# Altium PCB Digitalizador_RPi.PcbDoc (part 1 of 3) (continued)
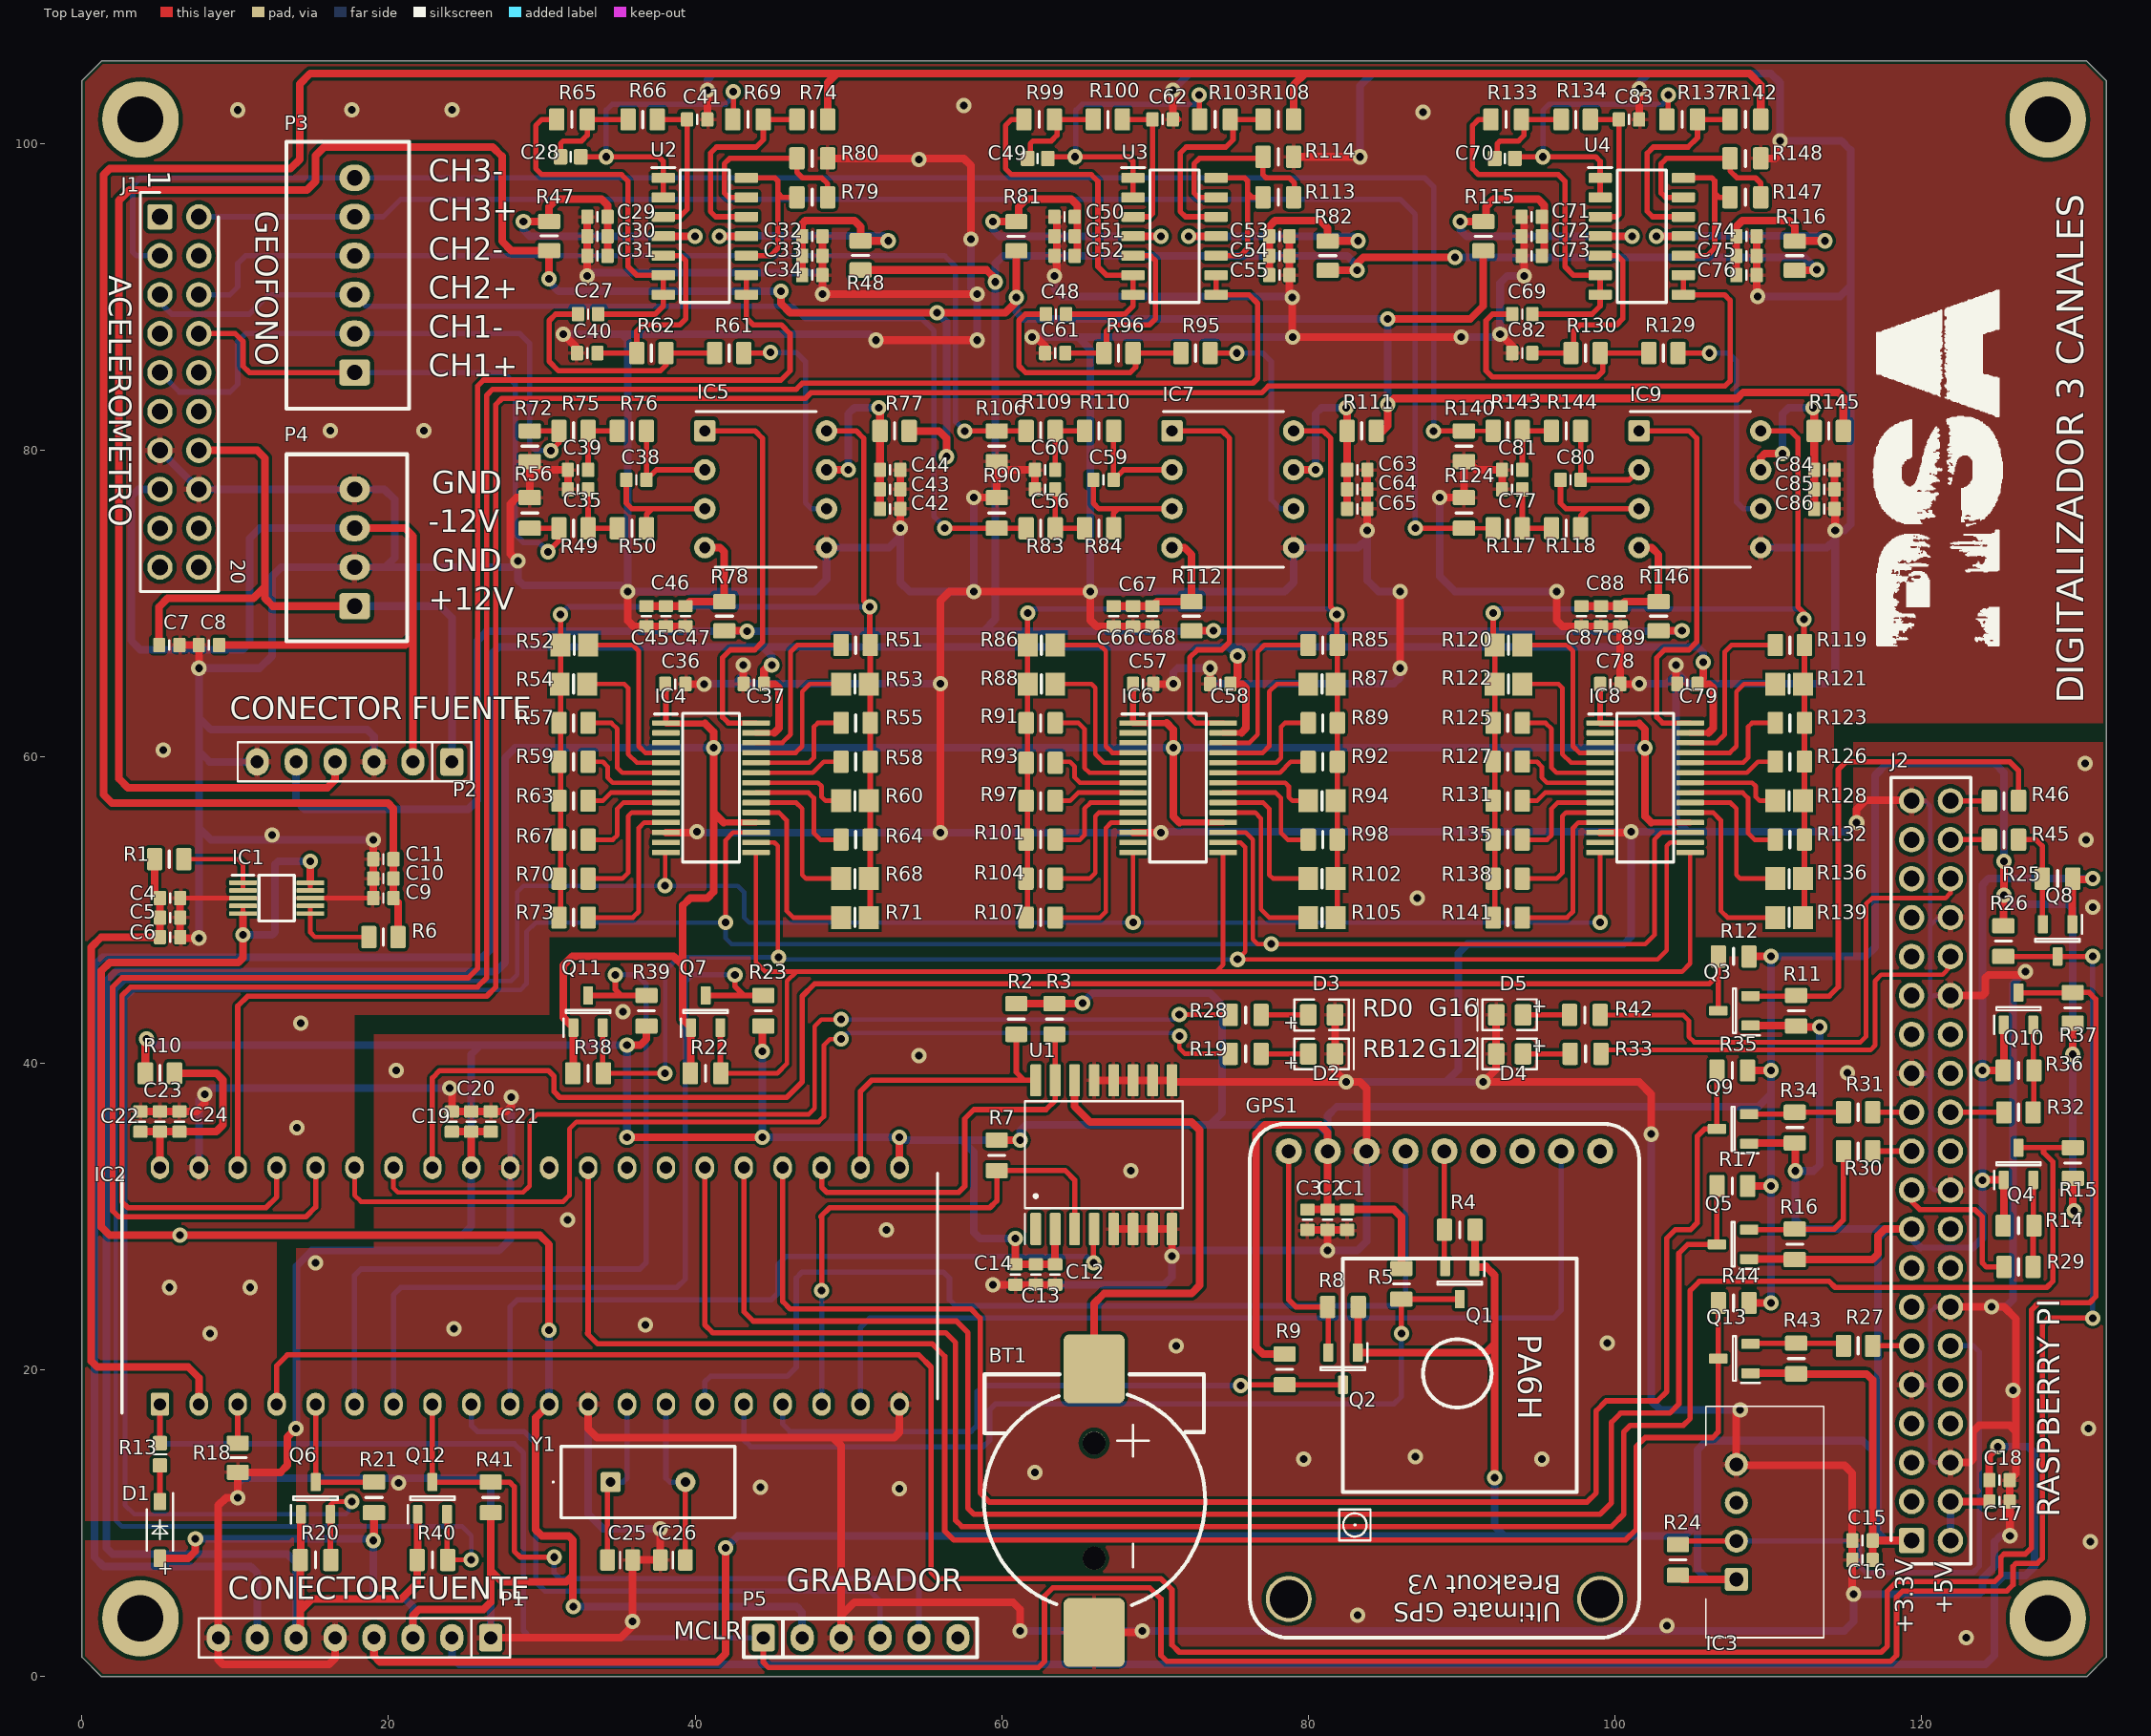
[diagram p0: Top Layer view]
## Design rules (kind name [scope] priority, off if disabled: settings) (continued)
SilkToSolderMaskClearance [IsPad] p1: minsilkscreentomaskgap=0.1 clearancetoexposedcopper=TRUE
SolderMaskExpansion SolderMaskExpansion_NPTH [IsPad And (HoleDiameter > 0) And (PadIsPlated = 'False')] p1: expansion=0.127
SolderMaskExpansion [All] p2: expansion=0.05
UnRoutedNet [All] p1: checkbadconnections=TRUE
Width Width_SILK [OnLayer('Top Overlay') Or OnLayer('Bottom Overlay')] p1: maxlimit=2.54 minlimit=0.15 preferedwidth=0.254
Width Width_POWER [All] p2: maxlimit=2.54 minlimit=0.2 preferedwidth=0.35 minimp=50.000000 maximp=50.000000 favimp=50.000000
Width [All] p3: maxlimit=2.54 minlimit=0.125 preferedwidth=0.25 minimp=50.000000 maximp=50.000000 favimp=50.000000
21 further rules are at their usual default settings.

## Classes and differential pairs
polygon class GENERAL_GROUND: PLANO_ANAL_BOTTOM PLANO_ANAL_TOP PLANO_DIGI_TOP

## Components (designator, comment, footprint, x,y, rotation, side; value= is the part's Value field where it differs from the comment)
BT1 "CR1220-2ZX" CR12202ZX 66.04,20.09 r270 top
C1 "CL10A105KB8NNNC" CAPC1608X90N#1 82.55,29.82 r270 top value=1uF
C2 "CC0603KRX7R9BB104" CAPC1608X90N#1 81.28,29.82 r270 top value=100nF
C3 "0603B103K500NT" CAPC1608X90N#1 79.96,29.82 r270 top value=10nF
C4 "CL10A105KB8NNNC" CAPC1608X90N#1 5.74,50.8 r0 top value=1uF
C5 "CC0603KRX7R9BB104" CAPC1608X90N#1 5.74,49.53 r0 top value=100nF
C6 "0603B103K500NT" CAPC1608X90N#1 5.74,48.26 r0 top value=10nF
C7 "CC0603KRX7R9BB104" CAPC1608X90N#1 5.69,67.31 r0 top value=100nF
C8 "CC0603KRX7R9BB104" CAPC1608X90N#1 8.28,67.31 r180 top value=100nF
C9 "CL10A105KB8NNNC" CAPC1608X90N#1 19.66,50.8 r180 top value=1uF
C10 "CC0603KRX7R9BB104" CAPC1608X90N#1 19.66,52.07 r180 top value=100nF
C11 "0603B103K500NT" CAPC1608X90N#1 19.66,53.34 r180 top value=10nF
C12 "CL10A105KB8NNNC" CAPC1608X90N#1 63.5,26.241 r270 top value=1uF
C13 "CC0603KRX7R9BB104" CAPC1608X90N#1 62.23,26.241 r270 top value=100nF
C14 "0603B103K500NT" CAPC1608X90N#1 60.91,26.241 r270 top value=10nF
C15 "CC0603KRX7R9BB104" CAPC1608X90N#1 116.18,8.89 r180 top value=100nF
C16 "0603B103K500NT" CAPC1608X90N#1 116.18,7.62 r180 top value=10nF
C17 "CC0603KRX7R9BB104" CAPC1608X90N#1 125.12,11.43 r0 top value=100nF
C18 "0603B103K500NT" CAPC1608X90N#1 125.12,12.82 r0 top value=10nF
C19 "CL10A105KB8NNNC" CAPC1608X90N#1 24.13,36.22 r90 top value=1uF
C20 "CC0603KRX7R9BB104" CAPC1608X90N#1 25.4,36.22 r90 top value=100nF
C21 "0603B103K500NT" CAPC1608X90N#1 26.67,36.22 r90 top value=10nF
C22 "CL10A105KB8NNNC" CAPC1608X90N#1 3.81,36.22 r90 top value=1uF
C23 "CC0603KRX7R9BB104" CAPC1608X90N#1 5.08,36.22 r90 top value=100nF
C24 "0603B103K500NT" CAPC1608X90N#1 6.35,36.22 r90 top value=10nF
C25 "CL21C200JBANNNC" CAPC2012X75N 35.11,7.62 r180 top value=20pF
C26 "CL21C200JBANNNC" CAPC2012X75N 38.55,7.62 r0 top value=20pF
C27 "CL10B474KA8NNNC" CAPC1608X90N#1 33.02,88.9 r0 top value=470nF
C28 "Cap" CAPC1608X90N#2 31.88,99.162 r0 top value=680nF
C29 "CL10A105KB8NNNC" CAPC1608X90N#1 33.63,95.25 r180 top value=1uF
C30 "CC0603KRX7R9BB104" CAPC1608X90N#1 33.63,93.98 r180 top value=100nF
C31 "0603B103K500NT" CAPC1608X90N#1 33.63,92.71 r180 top value=10nF
C32 "CL10A105KB8NNNC" CAPC1608X90N#1 47.65,93.98 r0 top value=1uF
C33 "CC0603KRX7R9BB104" CAPC1608X90N#1 47.65,92.71 r0 top value=100nF
C34 "0603B103K500NT" CAPC1608X90N#1 47.65,91.44 r0 top value=10nF
C35 "CL10B102KB8NNNC" CAPC1608X90N#1 32.36,77.47 r0 top value=1nF
C36 "CC0603KRX7R9BB104" CAPC1608X90N#1 38.71,64.77 r0 top value=100nF
C37 "CC0603KRX7R9BB104" CAPC1608X90N#1 43.84,64.77 r180 top value=100nF
C38 "0603B103K500NT" CAPC1608X90N#1 36.17,78.089 r180 top value=10nF
C39 "CL10B102KB8NNNC" CAPC1608X90N#1 32.36,78.74 r180 top value=1nF
C40 "0603B334K250NT" CAPC1608X90N#1 32.97,86.36 r180 top value=330nF
C41 "CL10B683KB8NNNC" CAPC1608X90N#1 40.138,101.6 r0 top value=68nF
C42 "CL10A105KB8NNNC" CAPC1608X90N#1 52.73,76.2 r0 top value=1uF
C43 "CC0603KRX7R9BB104" CAPC1608X90N#1 52.73,77.47 r0 top value=100nF
C44 "0603B103K500NT" CAPC1608X90N#1 52.73,78.74 r0 top value=10nF
C45 "CL10A105KB8NNNC" CAPC1608X90N#1 36.83,69.19 r270 top value=1uF
C46 "CC0603KRX7R9BB104" CAPC1608X90N#1 38.1,69.19 r270 top value=100nF
C47 "0603B103K500NT" CAPC1608X90N#1 39.37,69.19 r270 top value=10nF
C48 "CL10B474KA8NNNC" CAPC1608X90N#1 63.55,88.9 r0 top value=470nF
C49 "Cap" CAPC1608X90N#2 62.36,99.06 r0 top value=680nF
C50 "CL10A105KB8NNNC" CAPC1608X90N#1 64.11,95.25 r180 top value=1uF
C51 "CC0603KRX7R9BB104" CAPC1608X90N#1 64.11,93.98 r180 top value=100nF
C52 "0603B103K500NT" CAPC1608X90N#1 64.11,92.71 r180 top value=10nF
C53 "CL10A105KB8NNNC" CAPC1608X90N#1 78.13,93.98 r0 top value=1uF
C54 "CC0603KRX7R9BB104" CAPC1608X90N#1 78.13,92.71 r0 top value=100nF
C55 "0603B103K500NT" CAPC1608X90N#1 78.13,91.44 r0 top value=10nF
C56 "CL10B102KB8NNNC" CAPC1608X90N#1 62.84,77.47 r0 top value=1nF
C57 "CC0603KRX7R9BB104" CAPC1608X90N#1 69.24,64.77 r0 top value=100nF
C58 "CC0603KRX7R9BB104" CAPC1608X90N#1 74.27,64.77 r180 top value=100nF
C59 "0603B103K500NT" CAPC1608X90N#1 66.65,78.089 r180 top value=10nF
C60 "CL10B102KB8NNNC" CAPC1608X90N#1 62.84,78.74 r180 top value=1nF
C61 "0603B334K250NT" CAPC1608X90N#1 63.5,86.36 r180 top value=330nF
C62 "CL10B683KB8NNNC" CAPC1608X90N#1 70.51,101.6 r0 top value=68nF
C63 "CL10A105KB8NNNC" CAPC1608X90N#1 83.21,78.74 r0 top value=1uF
C64 "CC0603KRX7R9BB104" CAPC1608X90N#1 83.21,77.47 r0 top value=100nF
C65 "0603B103K500NT" CAPC1608X90N#1 83.21,76.2 r0 top value=10nF
C66 "CL10A105KB8NNNC" CAPC1608X90N#1 67.31,69.19 r270 top value=1uF
C67 "CC0603KRX7R9BB104" CAPC1608X90N#1 68.58,69.19 r270 top value=100nF
C68 "0603B103K500NT" CAPC1608X90N#1 69.85,69.19 r270 top value=10nF
C69 "CL10B474KA8NNNC" CAPC1608X90N#1 93.98,88.9 r0 top value=470nF
C70 "Cap" CAPC1608X90N#2 92.84,99.06 r0 top value=680nF
C71 "CL10A105KB8NNNC" CAPC1608X90N#1 94.59,95.25 r180 top value=1uF
C72 "CC0603KRX7R9BB104" CAPC1608X90N#1 94.59,93.98 r180 top value=100nF
C73 "0603B103K500NT" CAPC1608X90N#1 94.59,92.71 r180 top value=10nF
C74 "CL10A105KB8NNNC" CAPC1608X90N#1 108.61,93.98 r0 top value=1uF
C75 "CC0603KRX7R9BB104" CAPC1608X90N#1 108.61,92.71 r0 top value=100nF
C76 "0603B103K500NT" CAPC1608X90N#1 108.61,91.44 r0 top value=10nF
C77 "CL10B102KB8NNNC" CAPC1608X90N#1 93.32,77.47 r0 top value=1nF
C78 "CC0603KRX7R9BB104" CAPC1608X90N#1 99.72,64.77 r0 top value=100nF
C79 "CC0603KRX7R9BB104" CAPC1608X90N#1 104.75,64.77 r180 top value=100nF
C80 "0603B103K500NT" CAPC1608X90N#1 97.13,78.089 r180 top value=10nF
C81 "CL10B102KB8NNNC" CAPC1608X90N#1 93.32,78.74 r180 top value=1nF
C82 "0603B334K250NT" CAPC1608X90N#1 93.98,86.36 r180 top value=330nF
C83 "CL10B683KB8NNNC" CAPC1608X90N#1 100.94,101.6 r0 top value=68nF
C84 "CL10A105KB8NNNC" CAPC1608X90N#1 113.69,78.74 r0 top value=1uF
C85 "CC0603KRX7R9BB104" CAPC1608X90N#1 113.69,77.47 r0 top value=100nF
C86 "0603B103K500NT" CAPC1608X90N#1 113.69,76.2 r0 top value=10nF
C87 "CL10A105KB8NNNC" CAPC1608X90N#1 97.84,69.19 r270 top value=1uF
C88 "CC0603KRX7R9BB104" CAPC1608X90N#1 99.11,69.19 r270 top value=100nF
C89 "0603B103K500NT" CAPC1608X90N#1 100.38,69.19 r270 top value=10nF
D1 "1N4148W" SOD3716X135N 5.08,9.58 r270 top
D2 "NCD0805R1" LED-0805-R-RFS 80.885,40.64 r180 top value=Red
D3 "XL-0805QBC" LED-0805-B-RFS 80.885,43.18 r180 top value=Blue
D4 "NCD0805R1" LED-0805-R-RFS 93.155,40.64 r0 top value=Red
D5 "XL-0805QBC" LED-0805-B-RFS 93.155,43.18 r0 top value=Blue
GPS1 "GPS-BREAKOUT-V3" GPS-BREAKOUT-V3 78.74,34.29 r270 top
IC1 "MAX6072AAUB50+" SOP50P490X110-10N 12.7,50.8 r0 top
IC2 "DSPIC30F4013-30I_P" DIP1543W58P254L5175H635Q40N 29.21,25.495 r90 top
IC3 "DHT22" DHT22 107.95,6.35 r90 top
IC4 "ADG706BRUZ-REEL7" SOP65P640X120-28N 41.038,58.005 r0 top
IC5 "INA114AP" DIP794W53P254L959H508Q8N 44.61,77.47 r0 top
IC6 "ADG706BRUZ-REEL7" SOP65P640X120-28N 71.518,58.005 r0 top
IC7 "INA114AP" DIP794W53P254L959H508Q8N 75.09,77.47 r0 top
IC8 "ADG706BRUZ-REEL7" SOP65P640X120-28N 101.998,58.005 r0 top
IC9 "INA114AP" DIP794W53P254L959H508Q8N 105.57,77.47 r0 top
J1 "CONECTOR ACELEROMETRO" HDRV20W87P254_2X10_2553X508X864P 5.08,95.25 r270 top
J2 "PEINETA-2X20P" HDRV40W85P254_2X20_5080X500X860P 119.38,8.89 r270 top
P1 "ENTRADA_ALIMENTACION_2" SIP-8X1P-F-V 26.67,2.54 r180 top
P2 "ENTRADA_ALIMENTACION_1" SIP-6X1P-F-V 24.13,59.69 r180 top
P3 "SIGNALS GEOFONO" MOLEX-6P 17.78,85.09 r0 top
P4 "ALIMENTACION GEOFONO" MOLEX-4P 17.78,69.85 r0 top
P5 "PEINETA-6X1P GRABADOR" SIP-6X1P-M-V 44.45,2.54 r0 top
Q1 "2N7002" SOT96P240X120-3N 89.9,25.685 r270 top
Q2 "2N7002" SOT96P240X120-3N 82.28,20.1 r270 top
Q3 "2N7002" SOT96P240X120-3N 107.82,43.45 r180 top
Q4 "2N7002" SOT96P240X120-3N 126.36,33.461 r90 top
Q5 "2N7002" SOT96P240X120-3N 107.73,28.21 r180 top
Q6 "2N7002" SOT96P240X120-3N 15.24,11.65 r90 top
Q7 "2N7002" SOT96P240X120-3N 40.69,43.4 r90 top
Q8 "2N7002" SOT96P240X120-3N 128.91,48.04 r270 top
Q9 "2N7002" SOT96P240X120-3N 107.73,35.74 r180 top
Q10 "2N7002" SOT96P240X120-3N 126.36,43.58 r90 top
Q11 "2N7002" SOT96P240X120-3N 33.02,43.4 r90 top
Q12 "2N7002" SOT96P240X120-3N 22.86,11.65 r90 top
Q13 "2N7002" SOT96P240X120-3N 107.82,20.76 r180 top
R1 "0805W8F100JT5E" RESC2013X65N 5.69,53.34 r0 top value=10R
R2 "0805W8F4701T5E" RESC2012X50N 60.96,42.91 r90 top value=4K7
R3 "0805W8F4701T5E" RESC2012X50N 63.45,42.91 r90 top value=4K7
R4 "0805W8F1001T5E" RESC2012X50N 89.9,29.16 r180 top value=1K
R5 "0805W8F1001T5E" RESC2012X50N 86.09,25.635 r270 top value=1K
R6 "0805W8F100JT5E" RESC2013X65N 19.66,48.26 r0 top value=10R
R7 "0805W8F4701T5E" RESC2012X50N 59.69,34.02 r90 top value=4K7
R8 "0805W8F1001T5E" RESC2012X50N 82.28,24.13 r180 top value=1K
R9 "0805W8F1001T5E" RESC2012X50N 78.47,20.05 r270 top value=1K
R10 "0805W8F100JT5E" RESC2013X65N 5.08,39.37 r0 top value=10R
R11 "0805W8F1001T5E" RESC2012X50N 111.85,43.45 r90 top value=1K
R12 "0805W8F1001T5E" RESC2012X50N 107.77,46.99 r180 top value=1K
R13 "0603WAF4701T5E" RES-0603-RFS 5.08,14.515 r270 top value=4K7
R14 "0805W8F1001T5E" RESC2012X50N 126.36,29.431 r0 top value=1K
R15 "0805W8F1001T5E" RESC2012X50N 129.91,33.521 r90 top value=1K
R16 "0805W8F1001T5E" RESC2012X50N 111.76,28.21 r90 top value=1K
R17 "0805W8F1001T5E" RESC2012X50N 107.68,32.02 r180 top value=1K
R18 "0805W8F100JT5E" RESC2013X65N 10.16,14.29 r90 top value=10R
R19 "0805W8F4701T5E" RESC2012X50N 75.93,40.64 r0 top value=4K7
R20 "0805W8F1001T5E" RESC2012X50N 15.24,7.62 r0 top value=1K
R21 "0805W8F1001T5E" RESC2012X50N 19.05,11.7 r90 top value=1K
R22 "0805W8F1001T5E" RESC2012X50N 40.69,39.37 r0 top value=1K
R23 "0805W8F1001T5E" RESC2012X50N 44.45,43.45 r90 top value=1K
R24 "0805W8F1002T5E" RESC2012X50N 104.14,7.62 r270 top value=10K
R25 "0805W8F1001T5E" RESC2012X50N 128.91,52.07 r180 top value=1K
R26 "0805W8F1001T5E" RESC2012X50N 125.37,47.99 r270 top value=1K
R27 "0805W8F470JT5E" RESC2013X65N 115.89,21.59 r0 top value=47R
R28 "0805W8F4701T5E" RESC2012X50N 75.93,43.18 r0 top value=4K7
R29 "0805W8F470JT5E" RESC2013X65N 126.36,26.735 r180 top value=47R
R30 "0805W8F470JT5E" RESC2013X65N 115.89,34.29 r0 top value=47R
R31 "0805W8F470JT5E" RESC2013X65N 115.89,36.83 r0 top value=47R
R32 "0805W8F470JT5E" RESC2013X65N 126.36,36.82 r0 top value=47R
R33 "0805W8F1001T5E" RESC2012X50N 98.11,40.64 r180 top value=1K
R34 "0805W8F1001T5E" RESC2012X50N 111.76,35.83 r90 top value=1K
R35 "0805W8F1001T5E" RESC2012X50N 107.68,39.55 r180 top value=1K
R36 "0805W8F1001T5E" RESC2012X50N 126.36,39.55 r0 top value=1K
R37 "0805W8F1001T5E" RESC2012X50N 129.9,43.64 r90 top value=1K
R38 "0805W8F1001T5E" RESC2012X50N 33.02,39.37 r0 top value=1K
R39 "0805W8F1001T5E" RESC2012X50N 36.83,43.45 r90 top value=1K
R40 "0805W8F1001T5E" RESC2012X50N 22.86,7.62 r0 top value=1K
R41 "0805W8F1001T5E" RESC2012X50N 26.67,11.7 r90 top value=1K
R42 "0805W8F1001T5E" RESC2012X50N 98.06,43.18 r180 top value=1K
R43 "0805W8F1001T5E" RESC2012X50N 111.85,20.76 r90 top value=1K
R44 "0805W8F1001T5E" RESC2012X50N 107.77,24.39 r180 top value=1K
R45 "0805W8F470JT5E" RESC2013X65N 125.41,54.61 r0 top value=47R
R46 "0805W8F470JT5E" RESC2013X65N 125.41,57.15 r0 top value=47R
R47 "0805W8F470JT5E" RESC2013X65N 30.48,94 r90 top value=47R
R48 "0805W8F470JT5E" RESC2013X65N 50.8,92.73 r90 top value=47R
R49 "0805W8F1000T5E" RESC2013X65N 32.07,74.93 r0 top value=100R
R50 "0805W8F1000T5E" RESC2013X65N 35.88,74.93 r0 top value=100R
R51 "0805W8F8200T5E" RESC2013X65N 50.48,67.31 r0 top value=820R
R52 "Res1" 6-0805_N 32.12,67.31 r0 top value=IND
R53 "Res1" 6-0805_N 50.43,64.77 r0 top value=1.62k
R54 "Res1" 6-0805_N 32.07,64.77 r0 top value=IND
R55 "0805W8F3301T5E" RESC2013X65N 50.48,62.23 r0 top value=3K3
R56 "0805W8F2002T5E" RESC2012X50N 29.21,75.93 r270 top value=20K
R57 "0805W8F100JT5E" RESC2013X65N 32.07,62.23 r0 top value=10R
R58 "0805W8F6801T5E" RESC2013X65N 50.48,59.69 r0 top value=6K8
R59 "0805W8F220JT5E" RESC2013X65N 32.07,59.69 r0 top value=22R
R60 "Res1" 6-0805_N 50.43,57.15 r0 top value=16.5k
R61 "0805W8F3301T5E" RESC2013X65N 42.23,86.36 r180 top value=3K3
R62 "0805W8F8201T5E" RESC2013X65N 37.15,86.36 r180 top value=8K2
R63 "0805W8F470JT5E" RESC2013X65N 32.07,57.15 r0 top value=47R
R64 "0805W8F4992T5E" RESC2013X65N 50.48,54.61 r0 top value=49.9K
R65 "0805W8F4701T5E" RESC2012X50N 31.97,101.6 r0 top value=4K7
R66 "0805W8F1802T5E" RESC2013X65N 36.584,101.6 r0 top value=18K
R67 "0805W8F1000T5E" RESC2013X65N 32.07,54.61 r0 top value=100R
R68 "Res1" 6-0805_N 50.43,52.07 r0 top value=IND
R69 "0805W8F1001T5E" RESC2012X50N 43.45,101.6 r0 top value=1K
R70 "0805W8F1800T5E" RESC2013X65N 32.07,52.07 r0 top value=180R
R71 "Res1" 6-0805_N 50.43,49.53 r0 top value=IND
R72 "0805W8F2002T5E" RESC2012X50N 29.21,80.28 r270 top value=20K
R73 "0805W8F3900T5E" RESC2013X65N 32.07,49.53 r0 top value=390R
R74 "0805W8F1001T5E" RESC2012X50N 47.65,101.6 r180 top value=1K
R75 "0805W8F1000T5E" RESC2013X65N 32.07,81.28 r0 top value=100R
R76 "0805W8F1000T5E" RESC2013X65N 35.88,81.28 r0 top value=100R
R77 "0805W8F470JT5E" RESC2013X65N 53.02,81.28 r180 top value=47R
R78 "0805W8F470JT5E" RESC2013X65N 41.91,69.19 r90 top value=47R
R79 "0805W8F1001T5E" RESC2012X50N 47.65,96.52 r180 top value=1K
R80 "0805W8F1001T5E" RESC2012X50N 47.65,99.06 r180 top value=1K
R81 "0805W8F470JT5E" RESC2013X65N 60.96,93.98 r90 top value=47R
R82 "0805W8F470JT5E" RESC2013X65N 81.28,92.71 r90 top value=47R
R83 "0805W8F1000T5E" RESC2013X65N 62.55,74.93 r0 top value=100R
R84 "0805W8F1000T5E" RESC2013X65N 66.36,74.93 r0 top value=100R
R85 "0805W8F8200T5E" RESC2013X65N 80.96,67.31 r0 top value=820R
R86 "Res1" 6-0805_N 62.6,67.31 r0 top value=IND
R87 "Res1" 6-0805_N 80.91,64.77 r0 top value=1.62k
R88 "Res1" 6-0805_N 62.6,64.77 r0 top value=IND
R89 "0805W8F3301T5E" RESC2013X65N 80.96,62.23 r0 top value=3K3
R90 "0805W8F2002T5E" RESC2012X50N 59.69,75.93 r270 top value=20K
R91 "0805W8F100JT5E" RESC2013X65N 62.55,62.23 r0 top value=10R
R92 "0805W8F6801T5E" RESC2013X65N 80.96,59.69 r0 top value=6K8
R93 "0805W8F220JT5E" RESC2013X65N 62.55,59.63 r0 top value=22R
R94 "Res1" 6-0805_N 80.91,57.15 r0 top value=16.5k
R95 "0805W8F3301T5E" RESC2013X65N 72.66,86.36 r180 top value=3K3
R96 "0805W8F8201T5E" RESC2013X65N 67.63,86.36 r180 top value=8K2
R97 "0805W8F470JT5E" RESC2013X65N 62.55,57.15 r0 top value=47R
R98 "0805W8F4992T5E" RESC2013X65N 80.96,54.61 r0 top value=49.9K
R99 "0805W8F4701T5E" RESC2012X50N 62.45,101.6 r0 top value=4K7
R100 "0805W8F1802T5E" RESC2013X65N 66.94,101.6 r0 top value=18K
R101 "0805W8F1000T5E" RESC2013X65N 62.55,54.61 r0 top value=100R
R102 "Res1" 6-0805_N 80.91,52.07 r0 top value=IND
R103 "0805W8F1001T5E" RESC2012X50N 73.93,101.6 r0 top value=1K
R104 "0805W8F1800T5E" RESC2013X65N 62.55,52.07 r0 top value=180R
R105 "Res1" 6-0805_N 80.91,49.53 r0 top value=IND
R106 "0805W8F2002T5E" RESC2012X50N 59.69,80.28 r270 top value=20K
R107 "0805W8F3900T5E" RESC2013X65N 62.55,49.53 r0 top value=390R
R108 "0805W8F1001T5E" RESC2012X50N 78.06,101.6 r180 top value=1K
R109 "0805W8F1000T5E" RESC2013X65N 62.55,81.28 r0 top value=100R
R110 "0805W8F1000T5E" RESC2013X65N 66.36,81.28 r0 top value=100R
R111 "0805W8F470JT5E" RESC2013X65N 83.5,81.28 r180 top value=47R
R112 "0805W8F470JT5E" RESC2013X65N 72.39,69.19 r90 top value=47R
R113 "0805W8F1001T5E" RESC2012X50N 78.06,96.52 r180 top value=1K
R114 "0805W8F1001T5E" RESC2012X50N 78.06,99.162 r180 top value=1K
R115 "0805W8F470JT5E" RESC2013X65N 91.44,93.98 r90 top value=47R
R116 "0805W8F470JT5E" RESC2013X65N 111.76,92.71 r90 top value=47R
R117 "0805W8F1000T5E" RESC2013X65N 93.03,74.93 r0 top value=100R
R118 "0805W8F1000T5E" RESC2013X65N 96.84,74.93 r0 top value=100R
R119 "0805W8F8200T5E" RESC2013X65N 111.44,67.31 r0 top value=820R
R120 "Res1" 6-0805_N 93.08,67.31 r0 top value=IND
R121 "Res1" 6-0805_N 111.39,64.77 r0 top value=1.62k
R122 "Res1" 6-0805_N 93.08,64.77 r0 top value=IND
R123 "0805W8F3301T5E" RESC2013X65N 111.44,62.23 r0 top value=3K3
R124 "0805W8F2002T5E" RESC2012X50N 90.17,75.93 r270 top value=20K
R125 "0805W8F100JT5E" RESC2013X65N 93.03,62.23 r0 top value=10R
R126 "0805W8F6801T5E" RESC2013X65N 111.44,59.705 r0 top value=6K8
R127 "0805W8F220JT5E" RESC2013X65N 93.03,59.705 r0 top value=22R
R128 "Res1" 6-0805_N 111.39,57.15 r0 top value=16.5k
R129 "0805W8F3301T5E" RESC2013X65N 103.19,86.36 r180 top value=3K3
R130 "0805W8F8201T5E" RESC2013X65N 98.11,86.36 r180 top value=8K2
R131 "0805W8F470JT5E" RESC2013X65N 93.03,57.15 r0 top value=47R
R132 "0805W8F4992T5E" RESC2013X65N 111.44,54.61 r0 top value=49.9K
R133 "0805W8F4701T5E" RESC2012X50N 92.93,101.6 r0 top value=4K7
R134 "0805W8F1802T5E" RESC2013X65N 97.47,101.6 r0 top value=18K
R135 "0805W8F1000T5E" RESC2013X65N 93.03,54.61 r0 top value=100R
R136 "Res1" 6-0805_N 111.39,52.07 r0 top value=IND
R137 "0805W8F1001T5E" RESC2012X50N 104.41,101.6 r0 top value=1K
R138 "0805W8F1800T5E" RESC2013X65N 93.03,52.07 r0 top value=180R
R139 "Res1" 6-0805_N 111.39,49.53 r0 top value=IND
R140 "0805W8F2002T5E" RESC2012X50N 90.17,80.28 r270 top value=20K
R141 "0805W8F3900T5E" RESC2013X65N 93.03,49.53 r0 top value=390R
R142 "0805W8F1001T5E" RESC2012X50N 108.54,101.6 r180 top value=1K
R143 "0805W8F1000T5E" RESC2013X65N 93.03,81.28 r0 top value=100R
R144 "0805W8F1000T5E" RESC2013X65N 96.84,81.28 r0 top value=100R
R145 "0805W8F470JT5E" RESC2013X65N 113.98,81.28 r180 top value=47R
R146 "0805W8F470JT5E" RESC2013X65N 102.87,69.19 r90 top value=47R
R147 "0805W8F1001T5E" RESC2012X50N 108.54,96.52 r180 top value=1K
R148 "0805W8F1001T5E" RESC2012X50N 108.54,99.06 r180 top value=1K
U1 "DS3231S#" SOIC127P1032X265-16N 66.675,34.06 r90 top
U2 "TL084IDR" SOIC127P600X175-14N 40.64,93.98 r0 top
U3 "TL084IDR" SOIC127P600X175-14N 71.292,93.98 r0 top
U4 "TL084IDR" SOIC127P600X175-14N 101.772,93.98 r0 top
Y1 "ECS-150-S-4X" ECS150S4X 34.49,12.7 r0 top value=15MHz

## Footprints (in the part's own frame and the unit in brackets; to place one, negate y for a bottom-side part, rotate by r counter-clockwise, add the part's x,y. Pads: shape width x height; smd on the part's side, far side on the other; paste and mask are expansions set on the pad)
6-0805_N [mm] "Chip Resistor, Body 2.0x1.2mm, IPC Medium Density"
  rect 1.3x1.5 smd: 1(-0.9,0) 2(0.9,0)
  silkscreen extent 0,-0.6 0,0.6, body extent -1.07,-0.7 1.07,0.7, height 0.7
CAPC1608X90N#1 [mm] "0603"
  rrect20% 0.8x0.94 smd: 1(-0.66,0) 2(0.66,0)
  silkscreen extent 0,-0.3 0,0.3, body extent -0.8,-0.4 0.8,0.4, height 0.9
CAPC1608X90N#2 [mm] "0603"
  rrect20% 0.9x1 smd: 1(-0.66,0) 2(0.66,0)
  silkscreen extent 0,-0.3 0,0.3, body extent -0.8,-0.4 0.8,0.4, height 0.9
CAPC2012X75N [mm] "0805"
  rrect20% 0.96x1.39 smd: 1(-0.82,0) 2(0.82,0)
  silkscreen extent 0,-0.53 0,0.53, body extent -1,-0.63 1,0.63, height 0.75
CR12202ZX [mm]
  rrect20% 4.5x4 smd: 1(0,0) 2(17.2,0)
  round 1.5 hole 1.5 unplated: ""(4.85,0) ""(12.35,0)
  silkscreen extent 0.36,-7.19 15.41,7.24
DHT22 [mm]
  rrect20% 1.5x1.5 hole 0.91: 1(0,0)
  round 1.5 hole 0.91: 2(2.5,0) 3(5,0) 4(7.5,0)
  silkscreen extent -3.8,-5.7 11.3,2, body extent -3.8,-5.36 11.3,2.34, height 25.27
DIP794W53P254L959H508Q8N [mm]
  rrect20% 1.4x1.4 hole 0.73: 1(-3.97,3.81)
  round 1.4 hole 0.73: 2(-3.97,1.27) 3(-3.97,-1.27) 4(-3.97,-3.81) 5(3.97,-3.81) 6(3.97,-1.27) 7(3.97,1.27) 8(3.97,3.81)
  silkscreen extent -4.53,-5.08 3.3,5.08, body extent -4.1,-4.64 4.1,4.64, height 4.21
DIP1543W58P254L5175H635Q40N [mm]
  rrect20% 1.5x1.2 hole 0.784: 1(-7.715,24.13)
  oval 1.5x1.2 hole 0.784: 2(-7.715,21.59) 3(-7.715,19.05) 4(-7.715,16.51) 5(-7.715,13.97) 6(-7.715,11.43) 7(-7.715,8.89) 8(-7.715,6.35) 9(-7.715,3.81) 10(-7.715,1.27) 11(-7.715,-1.27) 12(-7.715,-3.81) 13(-7.715,-6.35) 14(-7.715,-8.89) 15(-7.715,-11.43) 16(-7.715,-13.97) 17(-7.715,-16.51) 18(-7.715,-19.05) 19(-7.715,-21.59) 20(-7.715,-24.13) 21(7.715,-24.13) 22(7.715,-21.59) 23(7.715,-19.05) 24(7.715,-16.51) 25(7.715,-13.97) 26(7.715,-11.43) 27(7.715,-8.89) 28(7.715,-6.35) 29(7.715,-3.81) 30(7.715,-1.27) 31(7.715,1.27) 32(7.715,3.81) 33(7.715,6.35) 34(7.715,8.89) 35(7.715,11.43) 36(7.715,13.97) 37(7.715,16.51) 38(7.715,19.05) 39(7.715,21.59) 40(7.715,24.13)
  silkscreen extent -8.31,-26.61 7.37,26.61, body extent -7.86,-25.88 7.86,25.88, height 6.35
ECS150S4X [mm]
  rrect20% 1.3x1.3 hole 0.63: 1(0,0)
  round 1.3 hole 0.63: 2(4.88,0)
  silkscreen extent -3.8,-2.33 8.11,2.33, body extent -3.23,-2.32 8.12,2.32, height 3.6
GPS-BREAKOUT-V3 [mm] "GPS"
  round 1.7 hole 0.9: 0(0,0) 1(0,2.54) 2(0,5.08) 3(0,7.62) 4(0,10.16) 5(0,12.7) 6(0,15.24) 7(0,17.78) 8(0,20.32)
  round 3 hole 2.5: 9(29.21,0) 10(29.21,20.32)
  silkscreen extent -1.78,-2.54 31.75,22.86, body extent -1.5,-2 31,22.5, height 1.94
HDRV20W87P254_2X10_2553X508X864P [mm]
  rrect20% 1.65x1.65 hole 1.05: 1(0,0)
  round 1.65 hole 1.05: 2(0,2.54) 3(2.54,0) 4(2.54,2.54) 5(5.08,0) 6(5.08,2.54) 7(7.62,0) 8(7.62,2.54) 9(10.16,0) 10(10.16,2.54) 11(12.7,0) 12(12.7,2.54) 13(15.24,0) 14(15.24,2.54) 15(17.78,0) 16(17.78,2.54) 17(20.32,0) 18(20.32,2.54) 19(22.86,0) 20(22.86,2.54)
  silkscreen extent -1.59,-1.27 24.45,3.81, body extent -1.34,-1.27 24.2,3.81, height 8.64
HDRV40W85P254_2X20_5080X500X860P [mm]
  rrect20% 1.65x1.65 hole 1.05: 1(0,0)
  round 1.65 hole 1.05: 2(0,2.54) 3(-2.54,0) 4(-2.54,2.54) 5(-5.08,0) 6(-5.08,2.54) 7(-7.62,0) 8(-7.62,2.54) 9(-10.16,0) 10(-10.16,2.54) 11(-12.7,0) 12(-12.7,2.54) 13(-15.24,0) 14(-15.24,2.54) 15(-17.78,0) 16(-17.78,2.54) 17(-20.32,0) 18(-20.32,2.54) 19(-22.86,0) 20(-22.86,2.54) 21(-25.4,0) 22(-25.4,2.54) 23(-27.94,0) 24(-27.94,2.54) 25(-30.48,0) 26(-30.48,2.54) 27(-33.02,0) 28(-33.02,2.54) 29(-35.56,0) 30(-35.56,2.54) 31(-38.1,0) 32(-38.1,2.54) 33(-40.64,0) 34(-40.64,2.54) 35(-43.18,0) 36(-43.18,2.54) 37(-45.72,0) 38(-45.72,2.54) 39(-48.26,0) 40(-48.26,2.54)
  silkscreen extent -49.78,-1.33 1.52,3.87, body extent -49.53,-1.23 1.27,3.77, height 8.6
LED-0805-B-RFS [mm] "EIA"
  rrect25% 1.1x1.4 smd: 1(-0.875,0) 2(0.875,0)
  silkscreen extent -2.1,-1.02 1.78,1.02, body extent -1,-0.63 1,0.63, height 1.15
LED-0805-R-RFS [mm] "EIA"
  rrect25% 1.1x1.4 smd: 1(-0.875,0) 2(0.875,0)
  silkscreen extent -2.1,-1.02 1.78,1.02, body extent -1,-0.63 1,0.63, height 1.15
MOLEX-4P [mm] "CONECTORES"
  rrect25% 2x1.7 hole 1: 1(0,0)
  oval 2x1.7 hole 1: 2(0,2.54) 3(0,5.08) 4(0,7.62)
  silkscreen extent -4.44,-2.29 3.43,9.91, body extent -4.4,-2.34 3.5,9.96, height 10.45
MOLEX-6P [mm] "CONECTORES"
  rrect25% 2x1.7 hole 1: 1(0,0)
  oval 2x1.7 hole 1: 2(0,2.54) 3(0,5.08) 4(0,7.62) 5(0,10.16) 6(0,12.7)
  silkscreen extent -4.44,-2.35 3.56,15.05, body extent -4.4,-2.33 3.5,15.04, height 10.45
RES-0603-RFS [mm] "EIA"
  rrect25% 0.95x0.95 smd: 1(-0.725,0) 2(0.725,0)
  silkscreen extent 0,-0.42 0,0.42, body extent -0.8,-0.4 0.8,0.4, height 0.44
RESC2012X50N [mm] "0805"
  rrect20% 1x1.45 smd: 1(-1,0) 2(1,0)
  silkscreen extent 0,-0.53 0,0.53, body extent -1.02,-0.63 1.02,0.63, height 0.5
RESC2013X65N [mm]
  rrect20% 1x1.45 smd: 1(-0.95,0) 2(0.95,0)
  silkscreen extent 0,-0.54 0,0.54, body extent -1,-0.64 1,0.64, height 0.65
SIP-6X1P-F-V [mm] "PEINETA"
  rrect25% 1.5x1.8 hole 0.85: 1(0,0)
  oval 1.5x1.8 hole 0.85: 2(2.54,0) 3(5.08,0) 4(7.62,0) 5(10.16,0) 6(12.7,0)
  silkscreen extent -1.27,-1.27 13.97,1.27, body extent -1.27,-1.25 13.97,1.25, height 8.55
SIP-6X1P-M-V [mm] "PEINETA"
  rrect25% 1.5x1.8 hole 0.85: 1(0,0)
  oval 1.5x1.8 hole 0.85: 2(2.54,0) 3(5.08,0) 4(7.62,0) 5(10.16,0) 6(12.7,0)
  silkscreen extent -1.27,-1.27 13.97,1.27, body extent -1.27,-1.25 13.97,1.25, height 8.5
SIP-8X1P-F-V [mm] "PEINETA"
  rrect25% 1.5x1.8 hole 0.85: 1(0,0)
  oval 1.5x1.8 hole 0.85: 2(2.54,0) 3(5.08,0) 4(7.62,0) 5(10.16,0) 6(12.7,0) 7(15.24,0) 8(17.78,0)
  silkscreen extent -1.27,-1.27 19.05,1.27, body extent -1.52,-1.25 19.3,1.25, height 8.55
SOD3716X135N [mm] "SOD"
  rrect20% 1.15x0.8 smd: 1(-1.85,0) 2(1.85,0)
  silkscreen extent -2.4,-0.85 1.35,0.85, body extent -1.86,-0.8 1.86,0.8, height 1.35
SOIC127P600X175-14N [mm]
  rrect20% 1.525x0.65 smd: 1(-2.712,3.81) 2(-2.712,2.54) 3(-2.712,1.27) 4(-2.712,0) 5(-2.712,-1.27) 6(-2.712,-2.54) 7(-2.712,-3.81) 8(2.712,-3.81) 9(2.712,-2.54) 10(2.712,-1.27) 11(2.712,0) 12(2.712,1.27) 13(2.712,2.54) 14(2.712,3.81)
  silkscreen extent -3.47,-4.33 1.6,4.48, body extent -3.01,-4.33 3.01,4.33, height 1.75
SOIC127P1032X265-16N [mm]
  rrect20% 2.1x0.7 smd: 1(-4.85,4.445) 2(-4.85,3.175) 3(-4.85,1.905) 4(-4.85,0.635) 5(-4.85,-0.635) 6(-4.85,-1.905) 7(-4.85,-3.175) 8(-4.85,-4.445) 9(4.85,-4.445) 10(4.85,-3.175) 11(4.85,-1.905) 12(4.85,-0.635) 13(4.85,0.635) 14(4.85,1.905) 15(4.85,3.175) 16(4.85,4.445)
  silkscreen extent -5.83,-5.15 3.5,5.15, body extent -5.16,-5.15 5.16,5.15, height 2.65
SOP50P490X110-10N [mm]
  rrect20% 1.8x0.29 smd: 1(-2.2,1) 2(-2.2,0.5) 3(-2.2,0) 4(-2.2,-0.5) 5(-2.2,-1) 6(2.2,-1) 7(2.2,-0.5) 8(2.2,0) 9(2.2,0.5) 10(2.2,1)
  silkscreen extent -2.9,-1.5 1.15,1.5, body extent -2.45,-1.5 2.45,1.5, height 1.1
SOP65P640X120-28N [mm]
  rrect20% 1.8x0.35 smd: 1(-2.938,4.225) 2(-2.938,3.575) 3(-2.938,2.925) 4(-2.938,2.275) 5(-2.938,1.625) 6(-2.938,0.975) 7(-2.938,0.325) 8(-2.938,-0.325) 9(-2.938,-0.975) 10(-2.938,-1.625) 11(-2.938,-2.275) 12(-2.938,-2.925) 13(-2.938,-3.575) 14(-2.938,-4.225) 15(2.938,-4.225) 16(2.938,-3.575) 17(2.938,-2.925) 18(2.938,-2.275) 19(2.938,-1.625) 20(2.938,-0.975) 21(2.938,-0.325) 22(2.938,0.325) 23(2.938,0.975) 24(2.938,1.625) 25(2.938,2.275) 26(2.938,2.925) 27(2.938,3.575) 28(2.938,4.225)
  silkscreen extent -3.68,-4.85 1.85,4.85, body extent -3.2,-4.85 3.2,4.85, height 1.2
SOT96P240X120-3N [mm]
  rrect20% 1.2x0.65 smd: 1(-1.05,0.96) 2(-1.05,-0.96) 3(1.05,0)
  silkscreen extent -1.65,-1.45 0.1,1.6, body extent -1.2,-1.45 1.2,1.45, height 1.2